# Altium PCB Temp_meter_16CH.PcbDoc (part 3 of 4)
Units mm, origin at the board's own origin, x right, y up, seen from the top; angles counter-clockwise.
Board outline 110 x 150 mm, 2 copper layers (Top Layer, Bottom Layer); 521 components, 394 nets, 1514 pads, 524 vias.
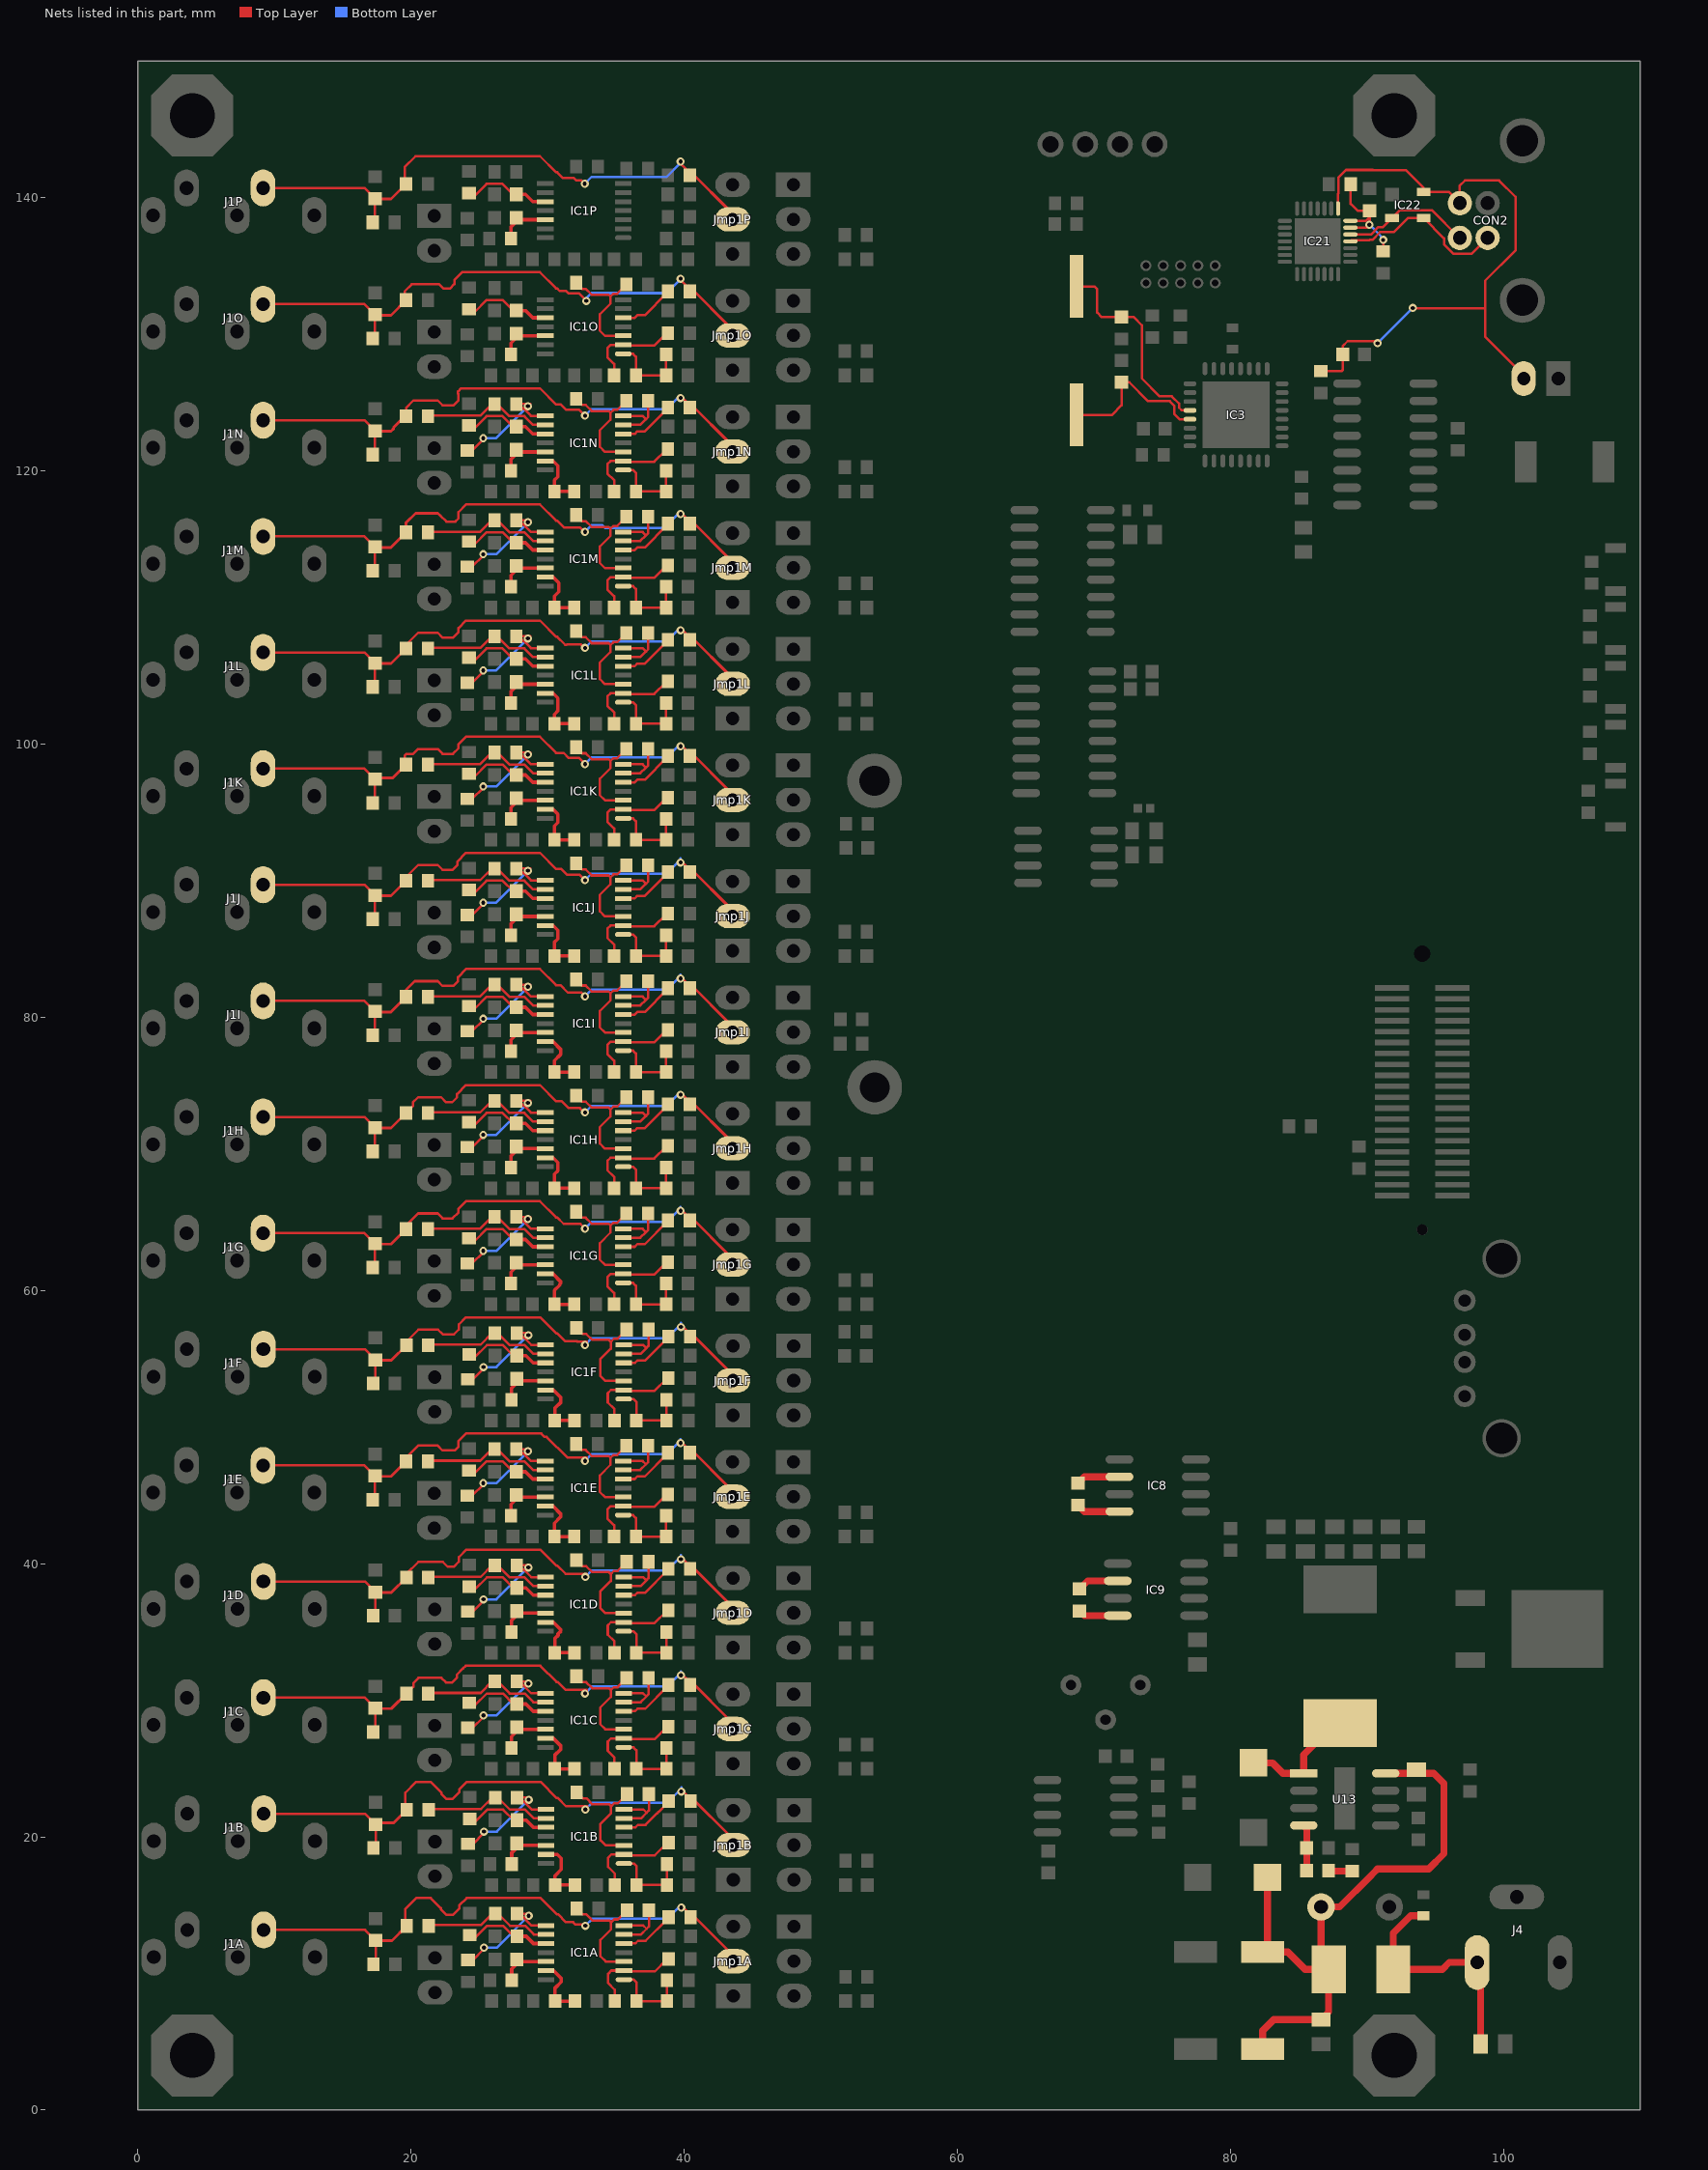
[diagram p3: the nets of this part, all layers, seen from the top]

## Via types
v1: diameter 0.6, hole 0.3, Top Layer to Bottom Layer, tented both sides, 515 vias
v2: diameter 0.8, hole 0.4, Top Layer to Bottom Layer, tented both sides, 9 vias

## Nets (pads, with @x,y where several pads share a name; then routed paths per layer and width w, separated by ;. In a path a pad name is that pad's centre, name@x,y a point inside that pad or via, vN(x,y) a via of type N, cw(c..) or ccw(c..) an arc to the next point about the centre after c; other vN are vias at no path point) (continued)
NetC2A_1: C2A.1 J1A.4 Jmp1A.2 R4A.2 R9A.1 R11A.1 | length 43.4
  Top Layer w0.178: J1A.4@9.23,13.192 16.652,13.192 C2A.1@17.424,12.42 17.424,12.385 17.424,10.845 R4A.2@17.259,10.68 ; R11A.1@19.699,13.486 19.602,13.583 19.602,14.737 20.388,15.523 21.456,15.523 22.201,14.778 22.201,14.7 22.616,14.284 23.086,14.284 23.542,14.74 23.542,14.974 24.091,15.523 29.502,15.523 30.684,14.341 30.767,14.341 31.357,13.75 31.875,13.75 32.052,13.573 32.702,13.573 v1(32.775,13.5) ; v1@39.875,14.9 40.476,14.299 R9A.1@40.476,14.121
  Top Layer w0.203: C2A.1@17.424,12.385 17.445,12.406 18.618,12.406 R11A.1@19.699,13.486 ; R9A.1@40.401,14.52 43.605,11.316 Jmp1A.2@43.605,10.899
  Bottom Layer w0.178: v1(32.775,13.5) 33.275,14 38.775,14 v1@39.7,14.925
  other v1: 39.8,14.825
NetC2B_1: C2B.1 J1B.4 Jmp1B.2 R4B.2 R9B.1 R11B.1 | length 44.3
  Top Layer w0.178: J1B.4@9.23,21.692 16.652,21.692 C2B.1@17.424,20.92 17.424,20.885 17.424,19.345 R4B.2@17.259,19.18 ; R11B.1@19.699,21.986 19.602,22.083 19.602,23.237 20.388,24.023 21.453,24.023 22.259,23.217 22.259,23.116 22.602,22.774 23.05,22.774 23.542,23.266 23.542,23.474 24.091,24.023 29.502,24.023 30.684,22.841 30.767,22.841 31.357,22.25 32.921,22.25 32.921,22.146 v1(32.775,22) ; v1@39.775,23.5 40.476,22.799 R9B.1@40.476,22.621
  Top Layer w0.203: C2B.1@17.424,20.885 17.57,21.031 18.743,21.031 R11B.1@19.699,21.986 ; R9B.1@40.401,23.02 43.605,19.816 Jmp1B.2@43.605,19.399
  Bottom Layer w0.178: v1(32.775,22) 33.275,22.5 38.775,22.5 v1@39.775,23.5 ; v1(39.8,23.325) 39.8,23.625
NetC2C_1: C2C.1 J1C.4 Jmp1C.2 R4C.2 R9C.1 R11C.1 | length 42.8
  Top Layer w0.178: J1C.4@9.205,30.192 16.627,30.192 C2C.1@17.399,29.42 17.399,29.385 17.399,27.845 R4C.2@17.234,27.68 ; R11C.1@19.674,30.486 20.176,30.988 20.176,31.254 20.555,31.634 22.24,31.634 22.565,31.308 23.035,31.308 23.367,31.64 23.367,31.864 23.828,32.325 24.026,32.523 29.477,32.523 30.659,31.341 30.742,31.341 31.332,30.75 32.896,30.75 32.896,30.646 v1(32.75,30.5) ; v1@39.75,32 40.451,31.299 R9C.1@40.451,31.121
  Top Layer w0.203: C2C.1@17.399,29.385 18.573,29.385 R11C.1@19.674,30.486 ; R9C.1@40.376,31.52 43.58,28.316 Jmp1C.2@43.58,27.899
  Bottom Layer w0.178: v1(32.75,30.5) 33.25,31 38.75,31 v1@39.75,32 ; v1(39.775,31.825) 39.775,32.125
NetC2D_1: C2D.1 J1D.4 Jmp1D.2 R4D.2 R9D.1 R11D.1 | length 42.8
  Top Layer w0.178: J1D.4@9.205,38.692 16.627,38.692 C2D.1@17.399,37.92 17.399,37.885 17.399,36.345 R4D.2@17.234,36.18 ; R11D.1@19.674,38.986 19.674,39.252 20.555,40.134 22.343,40.134 22.703,39.774 23.149,39.774 23.517,40.141 23.517,40.474 24.066,41.023 29.477,41.023 30.659,39.841 30.742,39.841 31.332,39.25 32.896,39.25 32.896,39.146 v1(32.777,39.027) ; v1@39.75,40.5 40.451,39.799 R9D.1@40.451,39.621
  Top Layer w0.203: C2D.1@17.399,37.885 18.573,37.885 R11D.1@19.674,38.986 ; R9D.1@40.376,40.02 43.58,36.816 Jmp1D.2@43.58,36.399
  Bottom Layer w0.178: v1(32.777,39.027) 33.25,39.5 38.75,39.5 v1@39.75,40.5 ; v1(39.775,40.325) 39.775,40.625
NetC2E_1: C2E.1 J1E.4 Jmp1E.2 R4E.2 R9E.1 R11E.1 | length 42.8
  Top Layer w0.178: J1E.4@9.18,47.192 16.602,47.192 C2E.1@17.374,46.42 17.374,46.385 17.374,44.845 R4E.2@17.209,44.68 ; R11E.1@19.649,47.486 19.649,47.752 20.53,48.634 21.967,48.634 22.315,48.286 23.209,48.286 23.492,48.568 23.492,48.974 24.041,49.523 29.554,49.523 29.797,49.28 29.941,49.28 31.471,47.75 32.871,47.75 32.871,47.646 v1@32.752,47.527 ; v1@39.725,49 40.426,48.299 R9E.1@40.426,48.121
  Top Layer w0.203: C2E.1@17.374,46.385 18.548,46.385 R11E.1@19.649,47.486 ; R9E.1@40.351,48.52 43.555,45.316 Jmp1E.2@43.555,44.899
  Bottom Layer w0.178: v1@32.752,47.527 33.225,48 38.725,48 v1@39.725,49 ; v1(39.75,48.825) 39.75,49.125
  other v1: 32.752,47.527
NetC2F_1: C2F.1 J1F.4 Jmp1F.2 R4F.2 R9F.1 R11F.1 | length 42.9
  Top Layer w0.178: J1F.4@9.205,55.692 16.627,55.692 C2F.1@17.399,54.92 17.399,54.885 17.399,53.345 R4F.2@17.234,53.18 ; R11F.1@19.674,55.986 19.674,56.252 20.555,57.134 21.992,57.134 22.34,56.786 23.161,56.786 23.517,57.142 23.517,57.514 24.026,58.023 29.477,58.023 30.659,56.841 30.742,56.841 31.285,56.298 32.143,56.298 32.19,56.25 32.896,56.25 32.896,56.146 v1(32.75,56) ; v1@39.75,57.5 40.451,56.799 R9F.1@40.451,56.621
  Top Layer w0.203: C2F.1@17.399,54.885 18.573,54.885 R11F.1@19.674,55.986 ; R9F.1@40.376,57.02 43.58,53.816 Jmp1F.2@43.58,53.399
  Bottom Layer w0.178: v1(32.75,56) 33.25,56.5 38.75,56.5 v1@39.75,57.5 ; v1(39.775,57.325) 39.775,57.625
NetC2G_1: C2G.1 J1G.4 Jmp1G.2 R4G.2 R9G.1 R11G.1 | length 42.4
  Top Layer w0.178: J1G.4@9.18,64.192 16.602,64.192 C2G.1@17.374,63.42 17.374,63.385 17.374,61.845 R4G.2@17.209,61.68 ; R11G.1@19.649,64.486 19.649,64.752 20.53,65.634 21.967,65.634 22.327,65.274 23.048,65.274 23.492,65.718 23.492,65.974 24.041,66.523 29.452,66.523 30.634,65.341 30.717,65.341 31.185,64.873 32.407,64.873 v1(32.752,64.528) ; v1@39.725,66 40.426,65.299 R9G.1@40.426,65.121
  Top Layer w0.203: C2G.1@17.374,63.385 18.548,63.385 R11G.1@19.649,64.486 ; R9G.1@40.351,65.52 43.555,62.316 Jmp1G.2@43.555,61.899
  Bottom Layer w0.178: v1(32.752,64.528) 32.752,64.527 33.225,65 38.725,65 v1@39.725,66 ; v1(39.75,65.825) 39.75,66.125
NetC2H_1: C2H.1 J1H.4 Jmp1H.2 R4H.2 R9H.1 R11H.1 | length 41.9
  Top Layer w0.178: J1H.4@9.18,72.692 16.602,72.692 C2H.1@17.374,71.92 17.374,71.885 17.374,70.345 R4H.2@17.209,70.18 ; R11H.1@19.649,72.986 20.151,73.488 20.151,73.754 20.53,74.134 22.219,74.134 22.58,73.774 23.023,73.774 23.385,74.136 23.385,74.367 24.041,75.023 29.452,75.023 30.634,73.841 31.058,73.841 31.547,73.351 32.374,73.351 32.696,73.029 v1(32.752,73.029) ; v1@39.825,74.4 40.426,73.799 R9H.1@40.426,73.621
  Top Layer w0.203: C2H.1@17.374,71.885 18.548,71.885 R11H.1@19.649,72.986 ; R9H.1@40.351,74.02 43.555,70.816 Jmp1H.2@43.555,70.399
  Bottom Layer w0.178: v1(32.752,73.029) 32.752,73.027 33.225,73.5 38.725,73.5 v1@39.65,74.425
  other v1: 39.75,74.325
NetC2I_1: C2I.1 J1I.4 Jmp1I.2 R4I.2 R9I.1 R11I.1 | length 42.6
  Top Layer w0.178: J1I.4@9.18,81.192 16.602,81.192 C2I.1@17.374,80.42 17.374,80.385 17.374,78.845 R4I.2@17.209,78.68 ; R11I.1@19.649,81.486 19.649,81.999 20.284,82.634 21.967,82.634 22.313,82.287 23.111,82.287 23.447,82.624 23.447,82.929 24.041,83.523 29.452,83.523 30.634,82.341 30.949,82.341 31.489,81.802 32.479,81.802 v1(32.752,81.529) ; v1@39.725,83 40.426,82.299 R9I.1@40.426,82.121
  Top Layer w0.203: C2I.1@17.374,80.385 18.548,80.385 R11I.1@19.649,81.486 ; R9I.1@40.351,82.52 43.555,79.316 Jmp1I.2@43.555,78.899
  Bottom Layer w0.178: v1(32.752,81.529) 32.752,81.527 33.225,82 38.725,82 v1@39.725,83 ; v1(39.75,82.825) 39.75,83.125
NetC2J_1: C2J.1 J1J.4 Jmp1J.2 R4J.2 R9J.1 R11J.1 | length 42.4
  Top Layer w0.178: J1J.4@9.18,89.692 16.602,89.692 C2J.1@17.374,88.92 17.374,88.885 17.374,87.345 R4J.2@17.209,87.18 ; R11J.1@19.649,89.986 19.649,90.252 20.53,91.134 21.967,91.134 22.313,90.788 23.061,90.788 23.397,91.124 23.397,91.379 24.041,92.023 29.452,92.023 30.634,90.841 31.024,90.841 31.443,90.423 32.358,90.423 v1(32.752,90.029) ; v1@39.725,91.5 40.426,90.799 R9J.1@40.426,90.621
  Top Layer w0.203: C2J.1@17.374,88.885 18.548,88.885 R11J.1@19.649,89.986 ; R9J.1@40.351,91.02 43.555,87.816 Jmp1J.2@43.555,87.399
  Bottom Layer w0.178: v1(32.752,90.029) 32.752,90.027 33.225,90.5 38.725,90.5 v1@39.725,91.5 ; v1(39.75,91.325) 39.75,91.625
NetC2K_1: C2K.1 J1K.4 Jmp1K.2 R4K.2 R9K.1 R11K.1 | length 42.3
  Top Layer w0.178: J1K.4@9.18,98.192 16.602,98.192 C2K.1@17.374,97.42 17.374,97.385 17.374,95.845 R4K.2@17.209,95.68 ; R11K.1@19.649,98.486 19.552,98.583 19.552,99.15 19.675,99.274 20.17,99.274 20.53,99.634 21.967,99.634 22.327,99.274 23.075,99.274 23.492,99.69 23.492,99.974 24.041,100.523 29.452,100.523 30.634,99.341 31.183,99.341 31.534,98.989 32.292,98.989 v1(32.752,98.53) ; v1@39.825,99.9 40.426,99.299 R9K.1@40.426,99.121
  Top Layer w0.203: C2K.1@17.374,97.385 17.495,97.506 18.668,97.506 R11K.1@19.649,98.486 ; R9K.1@40.351,99.52 43.555,96.316 Jmp1K.2@43.555,95.899
  Bottom Layer w0.178: v1(32.752,98.53) 32.752,98.527 33.225,99 38.725,99 v1@39.65,99.925
  other v1: 39.75,99.825
NetC2L_1: C2L.1 J1L.4 Jmp1L.2 R4L.2 R9L.1 R11L.1 | length 41.9
  Top Layer w0.178: J1L.4@9.18,106.692 16.602,106.692 C2L.1@17.374,105.92 17.374,105.885 17.374,104.345 R4L.2@17.209,104.18 ; R11L.1@19.649,106.986 19.649,107.252 20.53,108.134 21.967,108.134 22.327,107.774 23.075,107.774 23.492,108.19 23.492,108.474 24.041,109.023 29.452,109.023 30.634,107.841 30.717,107.841 31.307,107.25 31.406,107.25 31.427,107.271 32.454,107.271 32.695,107.03 v1(32.752,107.03) ; v1@39.825,108.4 40.426,107.799 R9L.1@40.426,107.621
  Top Layer w0.203: C2L.1@17.374,105.885 18.548,105.885 R11L.1@19.649,106.986 ; R9L.1@40.351,108.02 43.555,104.816 Jmp1L.2@43.555,104.399
  Bottom Layer w0.178: v1(32.752,107.03) 32.752,107.027 33.225,107.5 38.725,107.5 v1@39.65,108.425
  other v1: 39.75,108.325
NetC2M_1: C2M.1 J1M.4 Jmp1M.2 R4M.2 R9M.1 R11M.1 | length 42.8
  Top Layer w0.178: J1M.4@9.18,115.192 16.602,115.192 C2M.1@17.374,114.42 17.374,114.385 17.374,112.845 R4M.2@17.209,112.68 ; R11M.1@19.552,115.583 R11M.1@19.649,115.486 ; 22.16,116.716 22.603,116.274 23.253,116.274 23.492,116.513 23.492,116.974 24.041,117.523 29.452,117.523 30.634,116.341 30.717,116.341 31.213,115.845 32.38,115.845 32.694,115.531 v1(32.752,115.531) ; v1@39.825,116.9 40.426,116.299 R9M.1@40.426,116.121
  Top Layer w0.203: C2M.1@17.374,114.385 18.548,114.385 R11M.1@19.649,115.486 19.649,116.199 20.343,116.893 21.984,116.893 22.16,116.716 ; R9M.1@40.351,116.52 43.555,113.316 Jmp1M.2@43.555,112.899
  Bottom Layer w0.178: v1(32.752,115.531) 32.752,115.527 33.225,116 34.022,116 34.228,115.794 38.519,115.794 v1@39.65,116.925
  other v1: 39.75,116.825
NetC2N_1: C2N.1 J1N.4 Jmp1N.2 R4N.2 R9N.1 R11N.1 | length 42.4
  Top Layer w0.178: J1N.4@9.18,123.692 16.602,123.692 C2N.1@17.374,122.92 17.374,122.885 17.374,121.345 R4N.2@17.209,121.18 ; R11N.1@19.649,123.986 19.649,124.599 20.184,125.134 21.967,125.134 22.311,124.789 23.136,124.789 23.468,125.121 23.468,125.634 23.456,125.646 23.456,125.803 23.676,126.023 29.452,126.023 30.634,124.841 30.982,124.841 31.35,124.473 32.31,124.473 v1(32.752,124.031) ; v1@39.825,125.4 40.426,124.799 R9N.1@40.426,124.621
  Top Layer w0.203: C2N.1@17.374,122.885 18.548,122.885 18.744,123.082 18.744,123.183 19.547,123.986 R11N.1@19.649,123.986 ; R9N.1@40.351,125.02 43.555,121.816 Jmp1N.2@43.555,121.399
  Bottom Layer w0.178: v1(32.752,124.031) 32.752,124.027 33.225,124.5 38.725,124.5 v1@39.65,125.425
  other v1: 39.75,125.325
NetC2O_1: C2O.1 J1O.4 Jmp1O.2 R4O.2 R9O.1 R11O.1 | length 42.7
  Top Layer w0.178: J1O.4@9.18,132.192 16.602,132.192 C2O.1@17.374,131.42 17.374,131.385 17.374,129.845 R4O.2@17.209,129.68 ; R11O.1@19.649,132.486 19.552,132.583 19.552,133.125 20.067,133.64 22.058,133.64 ; 22.058,133.665 22.39,133.333 22.86,133.333 23.192,133.665 23.192,133.964 23.751,134.523 29.452,134.523 30.634,133.341 ; 30.717,133.341 30.903,133.154 31.369,133.154 31.534,132.989 32.294,132.989 v1(32.852,132.431) ; v1@39.725,134 40.426,133.299 R9O.1@40.426,133.121
  Top Layer w0.203: C2O.1@17.374,131.385 18.548,131.385 R11O.1@19.649,132.486 ; R9O.1@40.351,133.52 43.555,130.316 Jmp1O.2@43.555,129.899
  Bottom Layer w0.178: v1(32.852,132.431) 32.783,132.5 32.725,132.5 33.225,133 38.725,133 v1@39.725,134
  other v1: 39.752,134.057
NetC2P_1: C2P.1 J1P.4 Jmp1P.2 R4P.2 R9P.1 R11P.1 | length 42.4
  Top Layer w0.178: J1P.4@9.18,140.692 16.602,140.692 C2P.1@17.374,139.92 17.374,139.885 17.374,138.345 R4P.2@17.209,138.18 ; R11P.1@19.649,140.986 19.552,141.083 19.552,142.237 20.338,143.023 29.452,143.023 30.634,141.841 30.717,141.841 31.135,141.423 31.943,141.423 32.115,141.25 32.475,141.25 v1(32.725,141) ; v1@39.725,142.5 40.426,141.799 R9P.1@40.426,141.621
  Top Layer w0.203: C2P.1@17.374,139.885 18.548,139.885 R11P.1@19.649,140.986 ; R9P.1@40.351,142.02 43.555,138.816 Jmp1P.2@43.555,138.399
  Bottom Layer w0.178: v1(32.725,141) 33.225,141.5 38.725,141.5 v1@39.725,142.5
  other v1: 39.75,142.625
NetC5A_2: C5A.2 IC1A.12 R13A.2 | length 3.6
  Top Layer w0.254: R13A.2@27.387,9.502 27.387,10.34 27.92,10.874 IC1A.12@29.889,10.874
NetC5B_2: C5B.2 IC1B.12 R13B.2 | length 3.6
  Top Layer w0.254: R13B.2@27.387,18.002 27.387,18.84 27.92,19.374 IC1B.12@29.889,19.374
NetC5C_2: C5C.2 IC1C.12 R13C.2 | length 3.6
  Top Layer w0.254: R13C.2@27.362,26.502 27.362,27.34 27.895,27.874 IC1C.12@29.864,27.874
NetC5D_2: C5D.2 IC1D.12 R13D.2 | length 3.6
  Top Layer w0.254: R13D.2@27.362,35.002 27.362,35.84 27.895,36.374 IC1D.12@29.864,36.374
NetC5E_2: C5E.2 IC1E.12 R13E.2 | length 3.6
  Top Layer w0.254: R13E.2@27.337,43.502 27.337,44.34 27.87,44.874 IC1E.12@29.839,44.874
NetC5F_2: C5F.2 IC1F.12 R13F.2 | length 3.6
  Top Layer w0.254: R13F.2@27.362,52.002 27.362,52.84 27.895,53.374 IC1F.12@29.864,53.374
NetC5G_2: C5G.2 IC1G.12 R13G.2 | length 3.6
  Top Layer w0.254: R13G.2@27.337,60.502 27.337,61.34 27.87,61.874 IC1G.12@29.839,61.874
NetC5H_2: C5H.2 IC1H.12 R13H.2 | length 3.6
  Top Layer w0.254: R13H.2@27.337,69.002 27.337,69.84 27.87,70.374 IC1H.12@29.839,70.374
NetC5I_2: C5I.2 IC1I.12 R13I.2 | length 3.6
  Top Layer w0.254: R13I.2@27.337,77.502 27.337,78.34 27.87,78.874 IC1I.12@29.839,78.874
NetC5J_2: C5J.2 IC1J.12 R13J.2 | length 3.6
  Top Layer w0.254: R13J.2@27.337,86.002 27.337,86.84 27.87,87.374 IC1J.12@29.839,87.374
NetC5K_2: C5K.2 IC1K.12 R13K.2 | length 3.6
  Top Layer w0.254: R13K.2@27.337,94.502 27.337,95.34 27.87,95.874 IC1K.12@29.839,95.874
NetC5L_2: C5L.2 IC1L.12 R13L.2 | length 3.6
  Top Layer w0.254: R13L.2@27.337,103.002 27.337,103.84 27.87,104.374 IC1L.12@29.839,104.374
NetC5M_2: C5M.2 IC1M.12 R13M.2 | length 3.6
  Top Layer w0.254: R13M.2@27.337,111.502 27.337,112.34 27.87,112.874 IC1M.12@29.839,112.874
NetC5N_2: C5N.2 IC1N.12 R13N.2 | length 3.6
  Top Layer w0.254: R13N.2@27.337,120.002 27.337,120.84 27.87,121.374 IC1N.12@29.839,121.374
NetC5O_2: C5O.2 IC1O.12 R13O.2 | length 3.6
  Top Layer w0.254: R13O.2@27.337,128.502 27.337,129.34 27.87,129.874 IC1O.12@29.839,129.874
NetC5P_2: C5P.2 IC1P.12 R13P.2 | length 3.6
  Top Layer w0.254: R13P.2@27.337,137.002 27.337,137.84 27.87,138.374 IC1P.12@29.839,138.374
NetC6A_1: C6A.1 IC1A.10 R14A.2 | length 6.4
  Top Layer w0.178: R14A.2@24.428,12.639 24.738,12.639 25.59,13.491 26.761,13.491 27.528,12.724 C6A.1@27.776,12.724
  Top Layer w0.254: C6A.1@27.776,12.724 28.449,12.724 28.978,12.195 IC1A.10@29.889,12.195
NetC6B_1: C6B.1 IC1B.10 R14B.2 | length 6.4
  Top Layer w0.178: R14B.2@24.428,21.139 24.738,21.139 25.59,21.991 26.761,21.991 27.528,21.224 C6B.1@27.776,21.224
  Top Layer w0.254: C6B.1@27.776,21.224 28.449,21.224 28.978,20.695 IC1B.10@29.889,20.695
NetC6C_1: C6C.1 IC1C.10 R14C.2 | length 6.4
  Top Layer w0.178: R14C.2@24.403,29.639 24.713,29.639 25.565,30.491 26.736,30.491 27.503,29.724 C6C.1@27.751,29.724
  Top Layer w0.254: C6C.1@27.751,29.724 28.424,29.724 28.953,29.195 IC1C.10@29.864,29.195
NetC6D_1: C6D.1 IC1D.10 R14D.2 | length 6.4
  Top Layer w0.178: R14D.2@24.403,38.139 24.713,38.139 25.565,38.991 26.736,38.991 27.503,38.224 C6D.1@27.751,38.224
  Top Layer w0.254: C6D.1@27.751,38.224 28.424,38.224 28.953,37.695 IC1D.10@29.864,37.695
NetC6E_1: C6E.1 IC1E.10 R14E.2 | length 6.4
  Top Layer w0.178: R14E.2@24.378,46.639 24.688,46.639 25.54,47.491 26.711,47.491 27.478,46.724 C6E.1@27.726,46.724
  Top Layer w0.254: C6E.1@27.726,46.724 28.399,46.724 28.928,46.195 IC1E.10@29.839,46.195
NetC6F_1: C6F.1 IC1F.10 R14F.2 | length 6.4
  Top Layer w0.178: R14F.2@24.403,55.139 24.713,55.139 25.565,55.991 26.736,55.991 27.503,55.224 C6F.1@27.751,55.224
  Top Layer w0.254: C6F.1@27.751,55.224 28.424,55.224 28.953,54.695 IC1F.10@29.864,54.695
NetC6G_1: C6G.1 IC1G.10 R14G.2 | length 6.4
  Top Layer w0.178: R14G.2@24.378,63.639 24.688,63.639 25.54,64.491 26.711,64.491 27.478,63.724 C6G.1@27.726,63.724
  Top Layer w0.254: C6G.1@27.726,63.724 28.399,63.724 28.928,63.195 IC1G.10@29.839,63.195
NetC6H_1: C6H.1 IC1H.10 R14H.2 | length 6.4
  Top Layer w0.178: R14H.2@24.378,72.139 24.688,72.139 25.54,72.991 26.711,72.991 27.478,72.224 C6H.1@27.726,72.224
  Top Layer w0.254: C6H.1@27.726,72.224 28.399,72.224 28.928,71.695 IC1H.10@29.839,71.695
NetC6I_1: C6I.1 IC1I.10 R14I.2 | length 6.4
  Top Layer w0.178: R14I.2@24.378,80.639 24.688,80.639 25.54,81.491 26.711,81.491 27.478,80.724 C6I.1@27.726,80.724
  Top Layer w0.254: C6I.1@27.726,80.724 28.399,80.724 28.928,80.195 IC1I.10@29.839,80.195
NetC6J_1: C6J.1 IC1J.10 R14J.2 | length 6.4
  Top Layer w0.178: R14J.2@24.378,89.139 24.688,89.139 25.54,89.991 26.711,89.991 27.478,89.224 C6J.1@27.726,89.224
  Top Layer w0.254: C6J.1@27.726,89.224 28.399,89.224 28.928,88.695 IC1J.10@29.839,88.695
NetC6K_1: C6K.1 IC1K.10 R14K.2 | length 6.4
  Top Layer w0.178: R14K.2@24.378,97.639 24.688,97.639 25.54,98.491 26.711,98.491 27.478,97.724 C6K.1@27.726,97.724
  Top Layer w0.254: C6K.1@27.726,97.724 28.399,97.724 28.928,97.195 IC1K.10@29.839,97.195
NetC6L_1: C6L.1 IC1L.10 R14L.2 | length 6.4
  Top Layer w0.178: R14L.2@24.378,106.139 24.688,106.139 25.54,106.991 26.711,106.991 27.478,106.224 C6L.1@27.726,106.224
  Top Layer w0.254: C6L.1@27.726,106.224 28.399,106.224 28.928,105.695 IC1L.10@29.839,105.695
NetC6M_1: C6M.1 IC1M.10 R14M.2 | length 6.4
  Top Layer w0.178: R14M.2@24.378,114.639 24.688,114.639 25.54,115.491 26.711,115.491 27.478,114.724 C6M.1@27.726,114.724
  Top Layer w0.254: C6M.1@27.726,114.724 28.399,114.724 28.928,114.195 IC1M.10@29.839,114.195
NetC6N_1: C6N.1 IC1N.10 R14N.2 | length 6.4
  Top Layer w0.178: R14N.2@24.378,123.139 24.688,123.139 25.54,123.991 26.711,123.991 27.478,123.224 C6N.1@27.726,123.224
  Top Layer w0.254: C6N.1@27.726,123.224 28.399,123.224 28.928,122.695 IC1N.10@29.839,122.695
NetC6O_1: C6O.1 IC1O.10 R14O.2 | length 6.4
  Top Layer w0.178: R14O.2@24.378,131.639 24.688,131.639 25.54,132.491 26.711,132.491 27.478,131.724 C6O.1@27.726,131.724
  Top Layer w0.254: C6O.1@27.726,131.724 28.399,131.724 28.928,131.195 IC1O.10@29.839,131.195
NetC6P_1: C6P.1 IC1P.10 R14P.2 | length 6.4
  Top Layer w0.178: R14P.2@24.378,140.139 24.688,140.139 25.54,140.991 26.711,140.991 27.478,140.224 C6P.1@27.726,140.224
  Top Layer w0.254: C6P.1@27.726,140.224 28.399,140.224 28.928,139.695 IC1P.10@29.839,139.695
NetC8_2: C8.2 IC3.4 X1.2 | length 15.5
  Top Layer w0.178: X1.2@68.734,133.489 70.036,133.489 70.25,133.275 70.25,131.575 70.584,131.241 C8.2@72.036,131.241 72.934,131.241 73.528,130.647 73.528,126.747 74.828,125.447 75.707,125.447 76.247,124.907 76.247,124.608 76.44,124.416 IC3.4@77.043,124.416
NetC9_2: C9.2 IC3.5 X1.1 | length 11.8
  Top Layer w0.178: X1.1@68.734,124.091 71.341,124.091 72.036,124.786 C9.2@72.036,126.466 72.609,126.466 73.983,125.092 75.56,125.092 75.892,124.76 75.892,124.149 76.275,123.766 IC3.5@77.043,123.766
NetC15_1: C15.1 IC21.6 IC21.7 R35.2 R114.1 | length 9.9
  Top Layer w0.178: IC21.6@88.787,137.791 89.991,137.791 90.197,137.997 C15.1@90.197,139.039 ; IC21.7@88.787,138.291 89.941,138.291 90.197,138.547 C15.1@90.197,139.039 ; R35.2@88.811,140.97 88.811,139.539 89.311,139.039 C15.1@90.197,139.039 ; R114.1@91.186,136.055 v1(91.186,136.889)
  Bottom Layer w0.178: v1(90.179,138.007) 90.187,138.007 91.025,137.168 91.025,137.05 v1(91.186,136.889)
NetC16_1: C16.1 CON2.1 IC21.8 IC22.4 JP2.2 R97.2 | length 49.5
  Top Layer w0.178: R97.2@86.672,127.35 R97.2@86.614,127.292 88.15,127.292 88.227,127.369 C16.1@88.227,128.524 88.227,129.127 88.583,129.483 90.928,129.483 90.929,129.481 v1(90.779,129.331) ; IC21.8@87.887,139.191 87.887,140.277 87.928,140.318 87.928,141.478 88.463,142.013 90.431,142.013 90.445,142 92.85,142 94.141,140.709 IC22.4@94.141,140.408 95.978,140.408 CON2.1@96.801,139.585 96.801,140.876 97.175,141.25 99.675,141.25 100.875,140.05 100.875,136.125 98.65,133.9 98.65,131.85 ; v1(93.355,131.906) 93.355,131.905 93.384,131.875 98.625,131.875 98.65,131.85 ; JP2.2@101.473,126.746 101.473,127.002 98.65,129.825 98.65,131.431 98.65,131.85
  Bottom Layer w0.178: v1(90.779,129.331) 90.929,129.481 90.929,129.496 90.925,129.5 93.3,131.875 93.325,131.875 93.355,131.905 v1(93.355,131.906)
NetC18_1: C18.1 IC8.2 | length 3.2
  Top Layer w0.508: C18.1@68.834,45.885 69.304,46.355 IC8.2@71.882,46.355
NetC18_2: C18.2 IC8.4 | length 3.2
  Top Layer w0.508: C18.2@68.834,44.285 69.304,43.815 IC8.4@71.882,43.815
NetC20_1: C20.1 IC9.2 | length 3
  Top Layer w0.508: C20.1@68.961,38.138 69.558,38.735 IC9.2@71.755,38.735